# KiCad board r1_panel.kicad_pcb (continued)
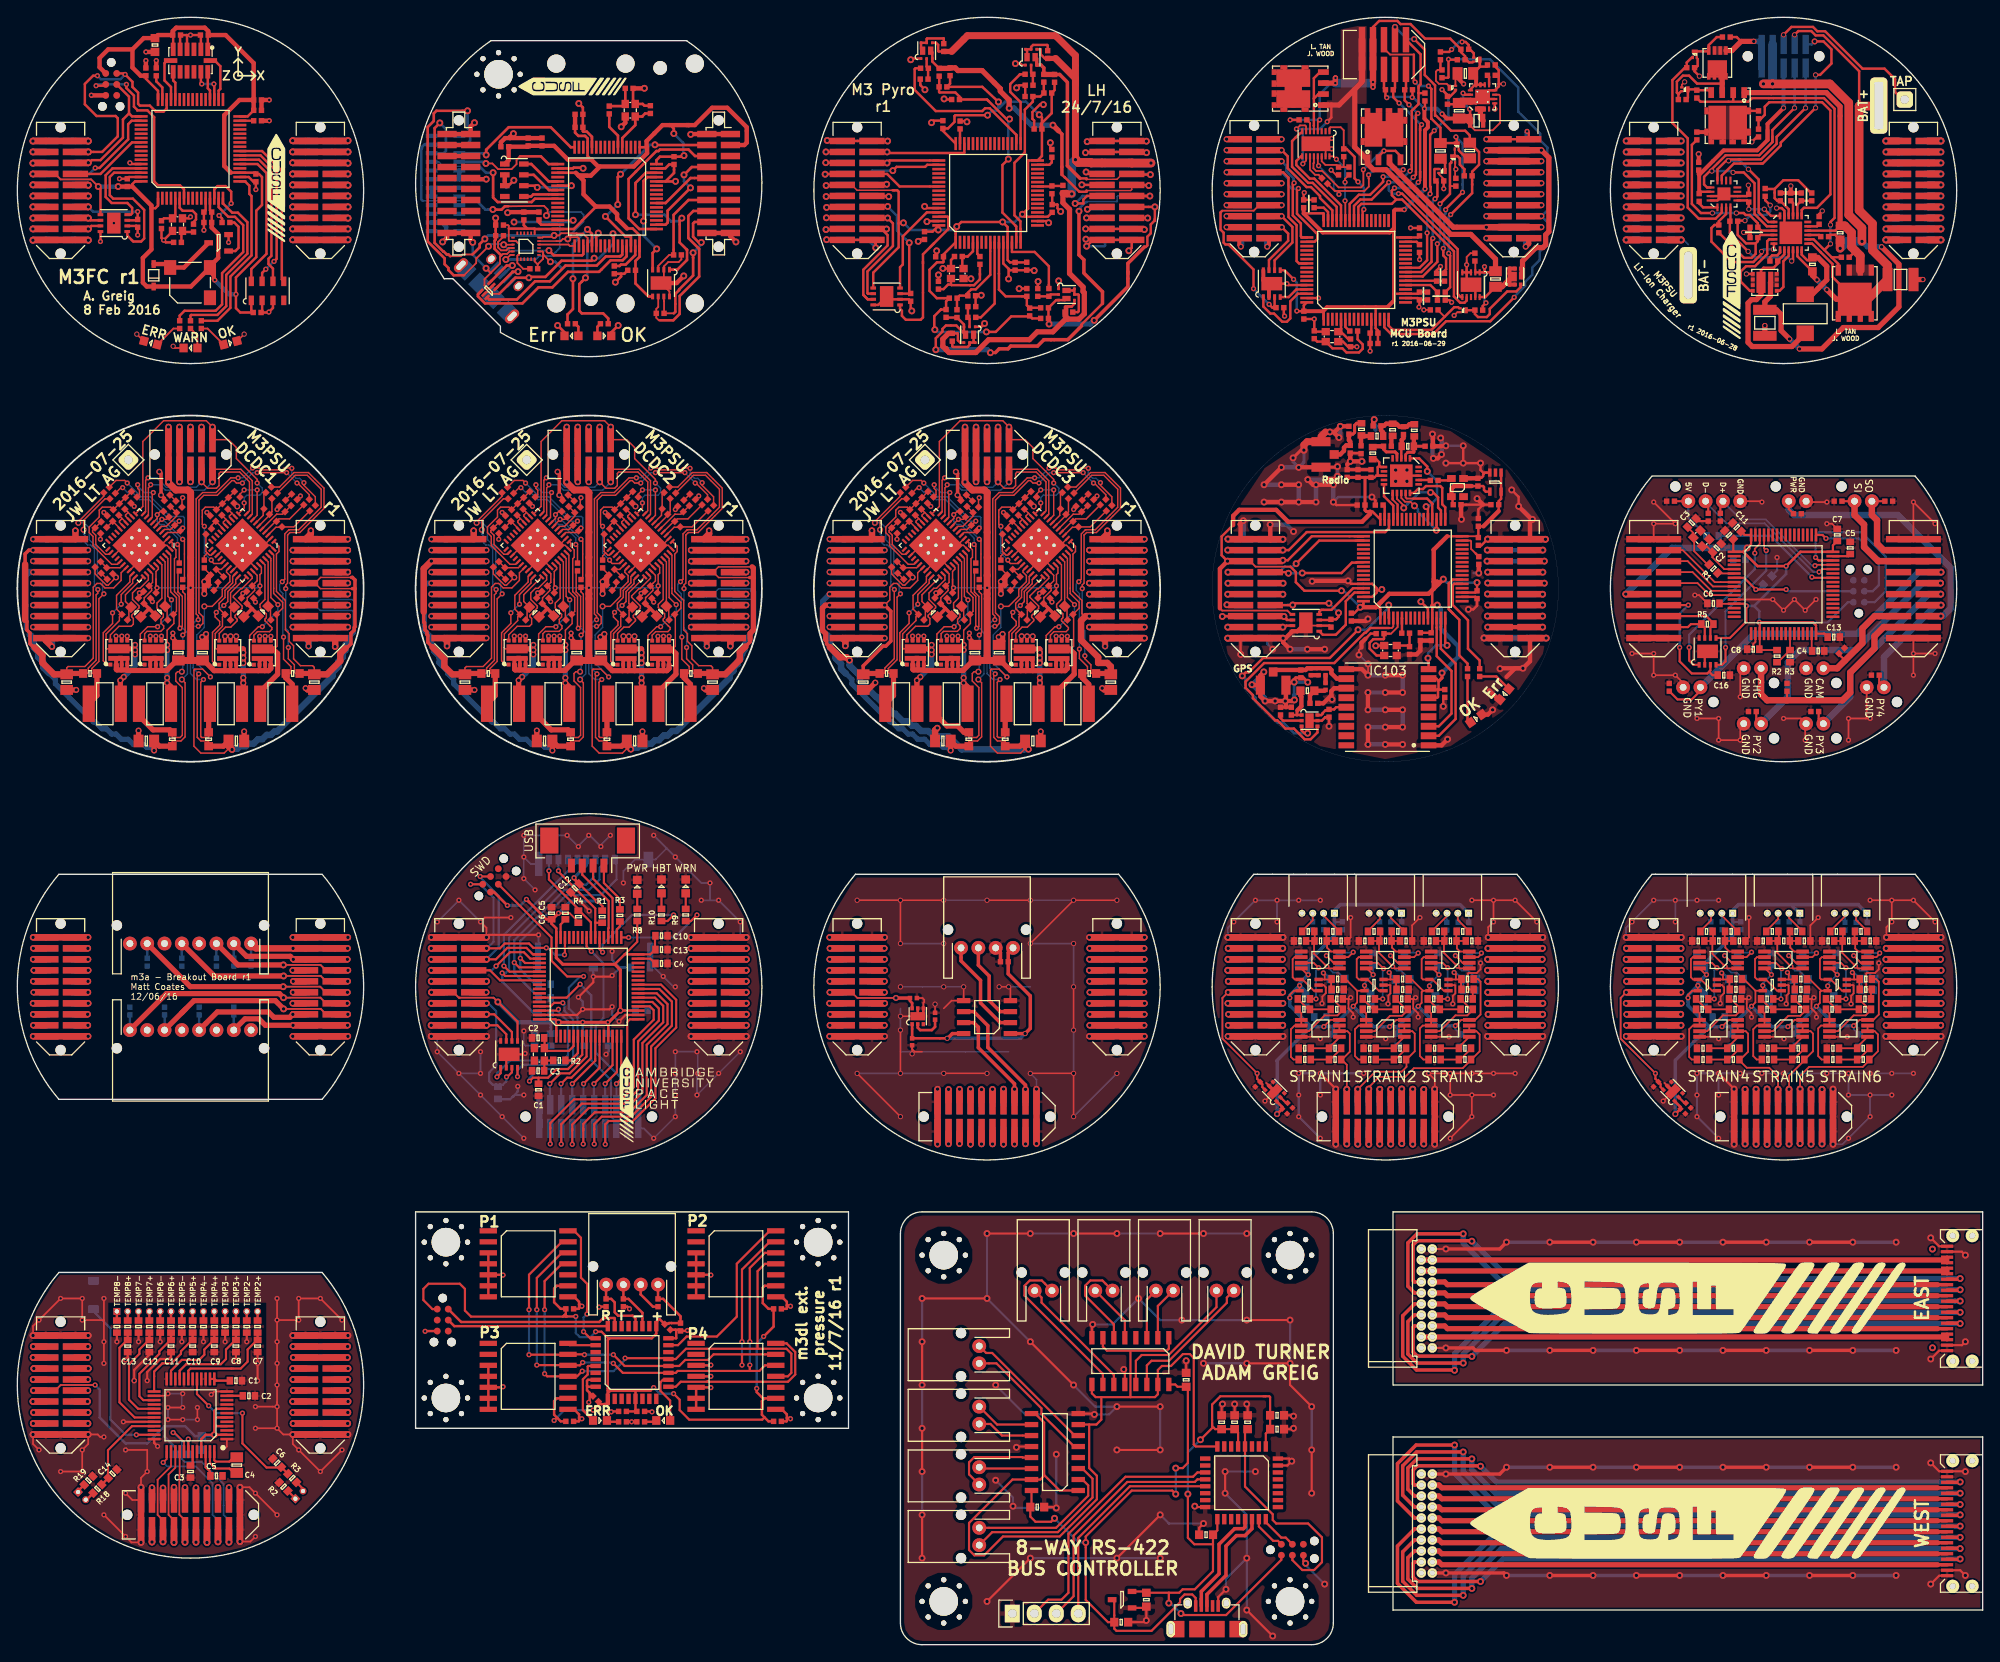
[diagram p0: board, top side]
## Routing (per net, layer and track width the routed paths; a pad name or vN(x,y) marks a point on that pad's centre or on a via; arc(x,y) is an arc through that point) (continued)
/Radio/Radio_GPIO1: length 4.5
  Top w0.28: IC101.45 158.93,131.59 157.85,132.67 IC201.10
/Radio/Radio_nIRQ: length 3.3
  Top w0.2: 159.43,131.72 158.85,132.29
  Top w0.28: IC101.44 159.43,131.72 ; 158.85,132.29 IC201.11
/Radio/Radio_nSEL: length 7.9
  Top w0.28: IC101.33 164.93,131.39 164.58,131.74 164.58,133.62 164.35,133.85 162.7,133.85 162.35,133.5 161.77,133.5 161.32,133.05 IC201.15
/Radio/Radio_SCLK: length 9.7
  Top w0.2: v1(160.14,131.32) 160.14,131.59 159.35,132.37 159.35,132.47 IC201.12
  Top w0.28: v1(163.23,133.11) 163.24,133.12 163.52,133.12 164.1,132.54 164.1,131.36 164.43,131.03 IC101.34
  Bottom w0.28: v1(160.14,131.32) 160.54,131.72 160.54,131.73 161.93,133.12 161.94,133.11 v1(163.23,133.11) 163.22,133.12
/Radio/Radio_SDI: length 5.7
  Top w0.2: 161.26,132.4 160.48,132.4 160.35,132.54 IC201.14
  Top w0.28: IC101.36 163.43,131.76 163.43,131.81 162.83,132.4 161.26,132.4
/Radio/Radio_SDN: length 9.8
  Top w0.28: v1(162.72,131.47) 162.93,131.26 IC101.37 ; 161.9,137.05 161.95,137 ; 161.9,137.05 IC201.1 ; 161.9,137.05 162.85,136.1 v1(162.85,135.55)
  Bottom w0.28: v1(162.72,131.47) 162.89,131.65 163.19,131.65 163.97,132.43 163.97,134.43 v1(162.85,135.55)
/Radio/Radio_SDO: length 7.6
  Top w0.2: IC201.13 159.85,132.47 160.29,132.03 160.9,132.03 v1(161.37,131.56)
  Top w0.28: v1(163.9,128.75) 163.93,128.78 IC101.35
  Bottom w0.28: v1(161.37,131.56) 161.77,131.16 161.77,130.88 v1(163.9,128.75)
/Radio/RXn: length 2.9
  Top w0.28: L202.1 159.85,138.4 IC201.3
  Top w0.5: C205.1 160.1,139.38 159.9,139.18 L202.1
/Radio/RXp: length 4.8
  Top w0.2: 161.21,138.36 L202.2 ; 160.35,137.5 160.35,137.56
  Top w0.28: 161.3,139.54 L203.1 ; 160.6,137.76 160.61,137.76 160.35,137.5 IC201.2
  Top w0.35: 160.6,137.76 161.27,137.76 161.3,137.79 L202.2 C203.1
  Top w0.5: L202.2 161.3,139.54
/Radio/TX_pin: length 3.9
  Top w0.28: IC201.4 159.35,137.58 ; 156.65,138.45 L201.2
  Top w0.35: 159.35,137.58 159.34,137.58 159.13,137.79 158.11,137.79 157.8,138.11 C204.1
  Top w0.5: C204.1 156.65,138.45
/RSVD1: length 106.4
  Top w0.28: 146.03,167.56 v2(146.03,167.56) ; 192.18,167.37 v2(192.18,167.36) ; J9.12 100.57,167.37 v1(100.65,167.29) ; v1(146.18,121.35) 146.16,121.36 J101.12
  Top w0.4: v2(54.18,121.37) 54.18,121.36 J1#9.12 ; 221.79,13.05 J2#8.12 ; v2(100.18,121.37) 100.18,121.36 J1#10.12 ; v2(8.18,121.37) 8.18,121.36 J1#8.12
  Top w0.6: 144.57,167.56 146.03,167.56 ; 221.79,13.05 164.53,13.05 164.21,13.37 J1#13.12
  Top w0.74: J1#2.12 v2(54.17,75.37) ; J1.12 8.19,167.37 v1(8.2,167.35) ; J1#3.12 v2(146.17,75.37) ; J1#6.12 v2(8.17,29.37) ; v2(100.17,75.37) J1#16.12 ; J1#4.12 v2(192.17,75.37) ; J1#5.12 v2(8.17,75.37)
  Top w0.8: J1#12.12 192.18,167.37
  Bottom w0.28: v2(146.03,167.56) 146.03,167.56 ; v2(192.18,167.36) 192.18,167.37 ; v1(146.18,121.35) 146.16,121.36 J102.12 ; J10.12 98.44,167.29 v1(100.65,167.29)
  Bottom w0.4: 6.37,121.37 J2#12.12 ; 52.37,121.37 J2#13.12 ; 98.37,121.37 J2#14.12
  Bottom w0.6: 146.03,167.56 144.22,167.56
  Bottom w0.7: v2(8.18,121.37) 6.37,121.37 ; v2(100.18,121.37) 98.37,121.37 ; v2(54.18,121.37) 52.37,121.37
  Bottom w0.74: J3#12.12 v2(100.17,75.37) ; v1(8.2,167.35) 8.19,167.37 J2#11.12 ; J3#8.12 v2(146.17,75.37) ; J3#10.12 v2(8.17,75.37) ; J3#9.12 v2(192.17,75.37) ; J3#11.12 v2(8.17,29.37) ; v2(54.17,75.37) J3#7.12
  Bottom w0.8: 192.18,167.37 J2#16.12
/RSVD2: length 115.3
  Top w0.28: 139.68,163.75 v2(139.67,163.76) ; v2(185.82,163.55) 185.83,163.56 ; v1(139.8,117.55) 139.81,117.56 J101.17 ; J9.17 95.22,163.48 v1(93.4,163.48)
  Top w0.4: J1#10.17 95.28,117.56 v2(93.82,117.56) ; J1#8.17 3.28,117.56 v2(1.82,117.56) ; v2(47.82,117.56) 49.28,117.56 J1#9.17 ; J2#8.17 224.37,9.87 v1(224.4,9.9) ; v1(169,7.3) 161.74,7.3 161.21,7.83 161.21,9.38 161.38,9.56 J1#13.17
  Top w0.6: J1#11.17 139.68,163.75
  Top w0.74: v1(1.8,163.55) 1.81,163.56 J1.17 ; J1#3.17 v2(139.85,71.56) ; J1#4.17 v2(185.85,71.56) ; J1#6.17 v1(1.85,25.56) ; J1#2.17 v1(47.8,71.56) ; v2(93.85,71.56) J1#16.17 ; J1#5.17 v2(1.85,71.56)
  Top w0.8: 185.83,163.56 J1#12.17
  Bottom w0.28: v2(139.67,163.76) 139.68,163.75 ; 185.83,163.56 v2(185.82,163.55) ; v1(93.4,163.48) 93.47,163.56 J10.17 ; J102.17 141.63,117.55 v1(139.8,117.55)
  Bottom w0.4: 93.83,117.56 v2(93.82,117.56) ; 1.83,117.56 v2(1.82,117.56) ; 47.83,117.56 v2(47.82,117.56)
  Bottom w0.6: 139.68,163.75 J2#15.17 ; v1(224.4,9.9) 171.6,9.9 v1(169,7.3)
  Bottom w0.7: J2#14.17 93.83,117.56 ; J2#13.17 47.83,117.56 ; J2#12.17 1.83,117.56
  Bottom w0.74: J3#9.17 v2(185.85,71.56) ; J3#12.17 v2(93.85,71.56) ; J3#8.17 v2(139.85,71.56) ; J3#7.17 v1(47.8,71.56) ; v2(1.85,71.56) J3#10.17 ; J3#11.17 v1(1.85,25.56) ; J2#11.17 1.81,163.56 v1(1.8,163.55)
  Bottom w0.8: J2#16.17 185.83,163.56
/RSVD3: length 72.7
  Top w0.4: v1(224.4,11.1) 224.36,11.14 J2#8.15 ; v1(168,6.5) 161.69,6.5 160.61,7.58 160.61,10.05 161.38,10.82 J1#13.15
  Bottom w0.6: v1(224.4,11.1) 171.39,11.1 168,7.71 v1(168,6.5)
/RX: length 17.1
  Top w0.28: IC5#4.20 71.4,37.68 71.08,38 69.4,38 69,38.4 69,39.54 68.59,39.95 D4#7.1 J1#15.4
  Top w0.4: IC2#14.3 113.53,73.13 112.25,74.41 112.25,77.25 111,78.5 J4#7.3
/SCL: length 144.3
  Top w0.16: IC1#10.9 119.13,130.61 119.13,134.47 117.82,135.78 J3#5.9 ; J3#4.9 71.82,135.78 73.13,134.47 73.13,130.61 IC1#9.9 ; IC2#8.9 61.14,130.51 61.14,133.64 61.4,133.9 v3(61.4,134) ; J3#3.9 25.82,135.78 27.13,134.47 27.13,130.61 IC1#8.9 ; IC2#7.9 15.14,130.51 15.14,133.64 15.4,133.9 v3(15.4,134) ; v3(107.4,134) 107.4,133.9 107.14,133.64 107.14,130.51 IC2#9.9
  Top w0.28: v3(160.74,177.9) 160.24,178.4 R8#9.2 160.39,179.78 J3#2.9 ; v3(161.76,176.91) 161.54,176.69 161.54,169.83 v3(161.23,169.52) ; v3(159.53,167.63) 159.94,167.63 166.36,161.21 166.36,156.05 166.73,155.69 IC5#3.6 ; 198.87,171.58 201.39,171.58 203.2,173.39 203.2,174.19 v4(206.54,177.53) ; 198.87,171.58 198.8,171.58 ; 198.87,171.58 197.64,171.58 ; 197.64,171.58 197.51,171.58 196.37,170.44 IC2#12.12 ; 197.64,171.58 197.64,171.43 v4(197.65,171.42) ; v4(199.94,170.45) 201.13,169.26 201.13,165.47 202.24,164.35 IC1#13.1 202.89,164.38 ; v3(158.4,168.93) 156.42,166.95 155.12,166.95 154.39,166.22 IC1#12.41
  Top w0.74: v2(22.54,134.31) J3#3.9 ; v2(114.54,134.31) J3#5.9 ; v2(68.54,134.31) J3#4.9
  Bottom w0.16: v3(61.4,134) 62.47,134 63.08,133.39 67.62,133.39 v2(68.54,134.31) ; v3(107.4,134) 108.47,134 109.08,133.39 113.62,133.39 v2(114.54,134.31) ; v3(15.4,134) 16.47,134 17.08,133.39 21.62,133.39 v2(22.54,134.31)
  Bottom w0.28: v3(160.74,177.9) 161.73,176.91 v3(161.76,176.91) ; v3(161.23,169.52) 160.64,168.93 v3(158.4,168.93) 158.4,168.03 158.8,167.63 v3(159.53,167.63) ; v4(199.94,170.45) 198.97,171.42 v4(197.65,171.42) ; 206.53,182.12 J6#11.9 v4(206.54,177.53)
  Bottom w0.74: J6#10.9 v2(114.54,134.31) ; J6#9.9 v2(68.54,134.31) ; J6#8.9 v2(22.54,134.31)
/SCLK: length 96.5
  Top w0.15: 61.25,165.3 61.25,165.23 v1(61.12,165.1) ; IC4#4.23 62.25,162.15
  Top w0.2: IC1#11.34 64.87,162.45 64.72,162.6 63.78,162.6 v1(63.58,162.4) 63.01,162.4 62.76,162.15 62.25,162.15 ; 56.7,166.17 60.83,166.22 61.25,165.8 61.25,165.3
  Top w0.25: v3(84.6,35) 84.6,43.52 86.35,45.27 IC2#13.12 ; v3(60,32.3) 63.57,32.3 IC3#6.12 64.97,32.27 v3(65.3,32.6) ; v3(84.6,32.3) 84.6,31.63 ; 84.6,31.63 76.28,31.63 76.05,31.4 IC5#4.11 69.94,31.4 v3(68.84,32.5) ; 84.6,31.63 85.71,31.63 86.35,32.27 IC4#6.12 ; IC1#15.12 62.9,45.27 60,42.37 v3(60,38.7)
  Top w0.3: v1(54.93,165.8) 54.95,165.78 55.92,165.78 56.31,166.17 56.7,166.17
  Bottom w0.15: 53.05,166.78 53.07,166.79 53.05,166.8 46.82,166.8
  Bottom w0.2: v1(61.12,165.1) 61.52,165.5 65.1,165.5 65.4,165.2 65.4,164.4 63.98,162.98 63.98,162.8 v1(63.58,162.4)
  Bottom w0.25: v3(84.6,35) v3(84.6,32.3) ; v3(68.84,32.5) 68.74,32.6 v3(65.3,32.6) ; v3(60,38.7) v3(60,32.3)
  Bottom w0.3: 46.82,166.8 46.65,166.97 46.65,172.78 46.73,172.86 46.73,173.03 47,173.3 U1#3.3 ; 53.07,166.79 53.78,166.07 53.78,166.07 54.08,165.78 54.34,165.78 54.36,165.8 v1(54.93,165.8)
/SDA: length 155.9
  Top w0.16: IC2#9.10 106.56,130.66 106.82,130.92 106.82,134.52 v3(107.1,134.8) ; IC2#8.10 60.56,130.66 60.82,130.92 60.82,134.52 v3(61.1,134.8) ; v3(15.1,134.8) 14.82,134.52 14.82,130.92 14.56,130.66 IC2#7.10 ; v2(21.27,134.31) 21.98,133.6 23,133.6 23.3,133.9 23.3,135.3 23.47,135.46 25.68,135.46 26.81,134.34 26.81,130.99 IC1#8.10 ; IC1#10.10 118.81,130.99 118.81,134.34 117.68,135.46 115.47,135.46 115.3,135.3 115.3,133.9 115,133.6 113.98,133.6 v2(113.27,134.31) ; v2(67.27,134.31) 67.98,133.6 69,133.6 69.3,133.9 69.3,135.3 69.47,135.46 71.68,135.46 72.81,134.34 72.81,130.99 IC1#9.10
  Top w0.28: v3(159.6,178.09) 158.92,178.77 R7#5.2 159.12,179.83 J3#2.7 ; 162.02,175.19 162.02,170.16 ; v3(162.19,175.6) 162.02,175.43 162.02,174.95 ; 162.02,170.16 162.02,169.15 v3(161.81,168.94) ; 162.02,170.16 162.02,169.48 ; 202.72,173.59 201.2,172.06 197.32,172.06 195.6,170.35 ; 202.72,173.59 202.72,174.26 ; 202.72,173.59 202.72,174.98 v4(205.27,177.53) ; 195.6,170.35 194.82,169.57 194.82,168.69 195.17,168.34 IC2#12.13 ; 195.6,170.35 195.62,170.35 v4(195.72,170.24) ; v4(198.17,170.08) 199.4,170.08 200.65,168.83 200.65,165.27 202.06,163.85 IC1#13.2 ; IC5#3.7 167.4,155.28 167.15,155.03 166.65,155.03 165.93,155.75 165.93,160.96 159.95,166.95 159.26,166.95 ; 159.26,166.95 158.76,167.45 158.76,167.98 v3(159.06,168.28) ; 159.26,166.95 158.77,166.45 155.23,166.45 154.89,166.11 IC1#12.40
  Top w0.74: J3#4.7 v2(67.27,134.31) ; J3#5.7 v2(113.27,134.31) ; J3#3.7 v2(21.27,134.31)
  Bottom w0.16: v2(21.27,134.31) 20.67,133.71 17.21,133.71 16.12,134.8 v3(15.1,134.8) ; v2(67.27,134.31) 66.67,133.71 63.21,133.71 62.12,134.8 v3(61.1,134.8) ; v3(107.1,134.8) 108.12,134.8 109.21,133.71 112.67,133.71 v2(113.27,134.31)
  Bottom w0.28: 159.61,178.04 159.61,178.08 v3(159.6,178.09) 159.62,178.09 162.11,175.6 v3(162.19,175.6) ; v3(161.81,168.94) 161.15,168.28 v3(159.06,168.28) ; v4(198.17,170.08) 198.01,170.24 v4(195.72,170.24) ; 205.28,182.12 J6#11.7 v4(205.27,177.53)
  Bottom w0.74: J6#8.7 v2(21.27,134.31) ; v2(67.27,134.31) J6#9.7 ; J6#10.7 v2(113.27,134.31)
/SDIO_CK: length 20.2
  Top w0.25: v3(56.2,78.4) 56.85,77.75 IC1#3.53
  Bottom w0.25: U1#2.5 64.7,90.5 56.2,82 v3(56.2,78.4)
/SDIO_CMD: length 30.5
  Top w0.25: v3(56,77.6) 56.35,77.25 IC1#3.54
  Bottom w0.25: v3(56,77.6) 56.4,77.6 56.8,78 56.8,81.7 62.9,87.8 65.7,87.8 66.55,88.65 66.55,90.45 U1#2.3
  Bottom w0.28: v3(56,77.6) 56,76.6 59.6,73 60.15,73
/SDIO_D0: length 11.6
  Top w0.25: 66.75,83.45 66.75,85.05 62.5,89.3 v3(62.5,89.4) ; 66.75,83.45 66.8,83.4 R1#2.1 ; 66.75,83.45 IC1#3.39
  Bottom w0.25: v3(62.5,89.4) U1#2.7
/SDIO_D1: length 11.1
  Top w0.25: v3(61.4,89.4) 61.4,88.4 64.8,85 R4#2.1 64.9,84.8 66.25,83.45 IC1#3.40
  Bottom w0.25: v3(61.4,89.4) U1#2.8
/SDIO_D2: length 24.9
  Top w0.25: IC1#3.51 58.65,78.75 v3(58.1,79.3)
  Bottom w0.25: v3(58.1,79.3) 58.1,81.3 63.4,86.6 67.4,86.6 69.2,88.4 69.2,90.5 U1#2.1
  Bottom w0.28: v3(58.1,79.3) 58.1,78 59.8,76.3 60.15,76.3
/SDIO_D3: length 26.3
  Top w0.25: IC1#3.52 57.95,78.25 v3(57.4,78.8)
  Bottom w0.25: v3(57.4,78.8) 57.4,81.4 63.2,87.2 66.05,87.2 67.25,88.4 67.25,89.75 67.9,90.4 U1#2.2
  Bottom w0.28: v3(57.4,78.8) 57.4,77.6 60.15,74.85 60.15,74.7
/SHIFT_DATA: length 25.9
  Top w0.25: P5.4 122.54,12.34 128.5,18.3 IC1#17.13
/SHIFT_RCK: length 30.6
  Top w0.25: 117.46,3.75 P5.2 119.06,5.2 120.6,5.2 121.4,6 121.4,12.8 128,19.4 135.8,19.4 136.3,19.9 IC1#17.11
/SHIFT_SRCK: length 27.9
  Top w0.25: IC1#17.12 136.3,19.1 136,18.8 128.2,18.8 122,12.6 122,5.6 P5.3 120,3.75
/SPI1_CS: length 55.9
  Top w0.2: IC1#6.41 19.25,23.4 18.15,24.5 v3(18,24.5)
  Top w0.25: v3(66.3,80.1) 65.75,80.65 IC1#3.41
  Top w0.74: J5#2.17 v1(208.45,57.84) ; v2(116.45,57.84) J6#3.17 ; J5.17 v1(162.45,57.84) ; J5#3.17 v1(24.45,11.84)
  Bottom w0.2: v3(18,24.5) 19,23.5 19,21.47 19.37,21.1 21.3,21.1 23.83,18.58 23.83,15 24.45,14.38 J6#6.17 24.45,14.41 ; 69.8,65.4 69.8,61.1 70.45,60.46 J7#4.17
  Bottom w0.25: 69.8,65.4 66.8,68.4 66.8,71.5 67.7,72.4 67.7,78.7 v3(66.3,80.1)
  Bottom w0.74: J6#4.17 v1(162.45,57.84) ; v1(24.45,11.84) J6#6.17 ; J6#5.17 v1(208.45,57.84) ; J7#7.17 v2(116.45,57.84)
/SPI1_MISO: length 52.2
  Top w0.2: IC1#6.39 18.25,20.45 17.47,19.67 17.47,15 18.1,14.38 J5#3.7 18.1,14.35
  Top w0.25: IC1#3.22 73.65,74.75 74.6,73.8 74.6,71.9 72.2,69.5 72.2,63.8 70.4,62 66,62 64.1,60.09 64.1,59.4 ; v3(64.1,57.81) 64.1,59.4 ; 64.1,59.4 64.1,59.59
  Top w0.74: v2(110.1,57.81) J6#3.7 ; J5#2.7 v1(202.1,57.81) ; J5.7 v1(156.1,57.81) ; J5#3.7 v1(18.1,11.81)
  Bottom w0.25: J7#4.7 v3(64.1,57.81)
  Bottom w0.74: J6#4.7 v1(156.1,57.81) ; J6#6.7 v1(18.1,11.81) ; J6#5.7 v1(202.1,57.81) ; J7#7.7 v2(110.1,57.81)
/SPI1_MOSI: length 50.9
  Top w0.2: 18.7,22.25 IC1#6.40 ; IC1#6.40 18.74,22.29 ; IC1#6.40 18.75,19.55 18.72,19.52 18.72,15.02 19.37,14.38 J5#3.9
  Top w0.25: 65.37,59.4 65.37,60.16 66.7,61.5 70.7,61.5 72.7,63.5 72.7,69.3 75.1,71.7 75.1,74 73.85,75.25 IC1#3.23 ; 65.37,59.4 65.37,59.66 ; 65.37,59.4 v3(65.37,57.84)
  Top w0.74: J5.9 v1(157.37,57.84) ; J5#3.9 v1(19.37,11.84) ; J5#2.9 v1(203.37,57.84) ; v2(111.37,57.84) J6#3.9
  Bottom w0.25: J7#4.9 v3(65.37,57.84)
  Bottom w0.74: J7#7.9 v2(111.37,57.84) ; J6#6.9 v1(19.37,11.84) ; J6#5.9 v1(203.37,57.84) ; J6#4.9 v1(157.37,57.84)
/SPI1_SCK: length 50.5
  Top w0.2: IC1#6.38 17.75,20.6 16.2,19.05 16.21,19.04 16.21,15 16.83,14.38 J5#3.5
  Top w0.25: IC1#3.21 73.35,74.25 74.1,73.5 74.1,72.1 71.7,69.7 71.7,64.1 70.1,62.5 65.2,62.5 62.83,60.12 v3(62.83,57.82)
  Top w0.74: v2(108.83,57.88) J6#3.5 ; J5#2.5 v1(200.83,57.82) ; J5.5 v1(154.83,57.82) ; J5#3.5 v1(16.83,11.88)
  Bottom w0.25: J7#4.5 v3(62.83,57.82)
  Bottom w0.74: J6#5.5 v1(200.83,57.82) ; J6#4.5 v1(154.83,57.82) ; J7#7.5 v2(108.83,57.88) ; J6#6.5 v1(16.83,11.88)
/STRAIN1: length 32.3
  Top w0.2: v1(153.56,64.16) 153.56,67 152.95,67.6 153,67.6 153.9,68.5 153.9,70.6 153.63,70.88 IC5.6 IC5.7
  Top w0.25: IC1#3.8 65.75,67.95 63.8,66 62.7,66 v3(61.5,64.8)
  Top w0.74: v2(107.56,64.16) J6#3.4 ; J5#3.4 v2(15.56,18.15) ; J5.4 v1(153.56,64.16) ; J5#2.4 v1(199.56,64.16)
  Bottom w0.25: J7#4.4 61.5,62.42 v3(61.5,64.8)
  Bottom w0.74: v1(199.56,64.16) J6#5.4 ; v2(15.56,18.15) J6#6.4 ; v1(153.56,64.16) J6#4.4 ; J7#7.4 v2(107.56,64.16)
/STRAIN1+: length 3.9
  Top w0.2: J7.2 150.88,84.22 152.7,82.4
  Bottom w0.2: J7.2 150.9,84.47 D2#11.2
/STRAIN1-: length 3.6
  Top w0.2: J7.3 149.63,83.68 148.35,82.4
  Bottom w0.2: J7.3 149.6,84.47 D1#13.2
/STRAIN2: length 35.5
  Top w0.2: IC8.7 IC8.6 161.13,70.88 161.4,70.6 161.4,68.55 160.45,67.6 160.45,66.75 159.9,66.2 156.85,66.2 v1(154.83,64.18)
  Top w0.25: IC1#3.9 66.25,67.75 64,65.5 63.5,65.5 v3(62.8,64.8)
  Top w0.74: v2(108.83,64.18) J6#3.6 ; J5#3.6 v2(16.83,18.12) ; J5#2.6 v1(200.83,64.18) ; J5.6 v1(154.83,64.18)
  Bottom w0.25: v3(62.8,64.8) 62.8,62.39 J7#4.6
  Bottom w0.74: J6#6.6 v2(16.83,18.12) ; v1(154.83,64.18) J6#4.6 ; v1(200.83,64.18) J6#5.6 ; J7#7.6 v2(108.83,64.18)
/STRAIN2+: length 3.8
  Top w0.2: J9#2.2 158.63,83.97 160.2,82.4
  Bottom w0.2: J9#2.2 158.65,84.47 D5#3.2
/STRAIN2-: length 3.7
  Top w0.2: 155.95,82.4 157.38,83.82 J9#2.3
  Bottom w0.2: J9#2.3 157.35,84.47 D4#8.2
/STRAIN3: length 41.2
  Top w0.2: IC9.7 IC9.6 168.53,70.88 168.9,70.5 168.9,68.55 166.95,66.6 161.3,66.6 160.3,65.6 157.3,65.6 156.1,64.4 v1(156.1,64.19) ; v1(202.1,64.19) 202.1,64.4
  Top w0.25: IC1#3.10 66.75,67.45 v3(64.1,64.8)
  Top w0.74: J5#3.8 v2(18.1,18.19) ; J5.8 v1(156.1,64.19) ; J5#2.8 v1(202.1,64.19) ; v2(110.1,64.19) J6#3.8
  Bottom w0.25: J7#4.8 64.1,62.37 v3(64.1,64.8)
  Bottom w0.74: v1(202.1,64.19) J6#5.8 ; v1(156.1,64.19) J6#4.8 ; v2(18.1,18.19) J6#6.8 ; J7#7.8 v2(110.1,64.19)
/STRAIN3+: length 3.7
  Top w0.2: J8.2 166.38,83.72 167.7,82.4
  Bottom w0.2: J8.2 166.4,84.47 D8#2.2
/STRAIN3-: length 3.9
  Top w0.2: J8.3 165.13,84.18 163.35,82.4
  Bottom w0.2: D7#2.2 165.1,84.47 J8.3
/STRAIN4: length 33.9
  Top w0.2: v1(203.37,64.16) 203.37,65.63 202.35,66.65 199.75,66.65 198.9,67.5 C14#4.2 ; 198.95,67.6 199,67.6 199.9,68.5 199.9,70.6 199.63,70.88 IC5#2.6 IC5#2.7
  Top w0.25: IC1#3.11 67.25,66.65 v3(65.4,64.8)
  Top w0.74: J5#3.10 v2(19.37,18.16) ; v2(111.37,64.13) J6#3.10 ; J5.10 v1(157.37,64.16) ; J5#2.10 v1(203.37,64.16)
  Bottom w0.25: v3(65.4,64.8) 65.4,62.4 J7#4.10
  Bottom w0.74: v1(203.37,64.16) J6#5.10 ; v1(157.37,64.16) J6#4.10 ; v2(19.37,18.16) J6#6.10 ; J7#7.10 v2(111.37,64.13)
/STRAIN4+: length 3.9
  Top w0.2: 198.7,82.4 196.88,84.22 J7#2.2
  Bottom w0.2: D2#12.2 196.9,84.47 J7#2.2
/STRAIN4-: length 3.6
  Top w0.2: 194.35,82.4 195.63,83.68 J7#2.3
  Bottom w0.2: J7#2.3 195.6,84.47 D1#14.2
/STRAIN5: length 31.3
  Top w0.2: IC8#2.7 IC8#2.6 207.13,70.88 207.4,70.6 207.4,68.55 206.45,67.6 ; C21#2.2 206.4,67.5 204.64,65.74 v1(204.64,64.16)
  Top w0.25: IC1#3.14 68.75,66.95 v3(66.6,64.8)
  Top w0.74: J5#2.12 v1(204.64,64.16) ; v2(112.64,64.16) J6#3.12 ; J5#3.12 v2(20.64,18.13) ; J5.12 v1(158.64,64.16)
  Bottom w0.25: J7#4.12 66.6,62.4 v3(66.6,64.8)
  Bottom w0.74: J7#7.12 v2(112.64,64.16) ; v1(158.64,64.16) J6#4.12 ; v1(204.64,64.16) J6#5.12 ; J6#6.12 v2(20.64,18.13)
/STRAIN5+: length 3.8
  Top w0.2: J9#3.2 204.63,83.97 206.2,82.4
  Bottom w0.2: J9#3.2 204.65,84.47 D5#4.2
/STRAIN5-: length 3.7
  Top w0.2: J9#3.3 203.38,83.82 201.95,82.4
  Bottom w0.2: J9#3.3 203.35,84.47 D4#9.2
/STRAIN6: length 37.2
  Top w0.2: IC9#2.7 IC9#2.6 214.53,70.88 214.9,70.5 214.9,68.55 213.95,67.6 ; C13#5.2 213.9,67.5 213.15,66.75 206.95,66.75 205.91,65.71 v1(205.91,64.19)
  Top w0.25: IC1#3.15 69.25,66.15 v3(67.9,64.8)
  Top w0.74: J5.14 v1(159.91,64.19) ; J5#2.14 v1(205.91,64.19) ; J5#3.14 v2(21.91,18.1) ; v2(113.91,64.19) J6#3.14
  Bottom w0.25: J7#4.14 67.9,62.37 v3(67.9,64.8)
  Bottom w0.74: J7#7.14 v2(113.91,64.19) ; v2(21.91,18.1) J6#6.14 ; J6#4.14 v1(159.91,64.19) ; J6#5.14 v1(205.91,64.19)
/STRAIN6+: length 3.7
  Top w0.2: J8#2.2 212.38,83.72 213.7,82.4
  Bottom w0.2: D8#3.2 212.4,84.47 J8#2.2
/STRAIN6-: length 3.9
  Top w0.2: 209.35,82.4 211.13,84.18 J8#2.3
  Bottom w0.2: J8#2.3 211.1,84.47 D7#3.2
/SWCLK: length 32.1
  Top w0.25: v3(208.9,127.8) 208.5,128.2 IC1#7.49
  Top w0.28: P1#3.4 50.47,36.8 IC5#4.24
  Bottom w0.25: v3(208.9,127.8) 212.7,127.8 215,125.5 215,122.4 214.3,121.7 P1#5.4
/SWDCLK: length 4.5
  Top w0.25: P1#4.4 146.5,12.37 145.98,12.37 144.2,14.15 IC1#17.24
/SWDIO: length 46.3
  Top w0.25: IC1#17.23 143.4,13.65 145.06,11.99 145.61,11.99 P1#4.2 ; v3(207.7,125.6) 208.05,125.25 IC1#7.46
  Top w0.28: IC5#4.23 69,37.68 68.94,37.74 67.68,37.74 67.22,37.28 51.26,37.28 P1#3.2
  Bottom w0.25: v3(207.7,125.6) 207.7,128.1 208.1,128.5 213,128.5 215.8,125.7 215.8,121.7 214.53,120.43 P1#5.2
/TEMP1+: length 1.3
  Top w0.25: J7#5.2 33,18 32.28,18.72
/TEMP1-: length 1.2
  Top w0.25: J7#5.1 32.12,16.88 31.28,17.72
/TEMP2+: length 1
  Top w0.28: J9#4.14 27.75,37.5
/TEMP2-: length 1
  Top w0.28: J9#4.13 26.5,37.5
/TEMP3+: length 1
  Top w0.28: J9#4.12 25.25,37.5
/TEMP3-: length 1
  Top w0.28: J9#4.11 24,37.5
/TEMP4+: length 1
  Top w0.28: J9#4.10 22.75,37.5
/TEMP4-: length 1
  Top w0.28: J9#4.9 21.5,37.5
/TEMP5+: length 1
  Top w0.28: J9#4.8 20.25,37.5
/TEMP5-: length 1
  Top w0.28: J9#4.7 19,37.5
/TEMP6+: length 1
  Top w0.28: J9#4.6 17.75,37.5
/TEMP6-: length 1
  Top w0.28: 16.5,37.5 J9#4.5
/TEMP7+: length 1
  Top w0.28: 15.25,37.5 J9#4.4
/TEMP7-: length 1
  Top w0.28: 14,37.5 J9#4.3
/TEMP8+: length 1
  Top w0.28: 12.75,37.5 J9#4.2
/TEMP8-: length 1
  Top w0.28: 11.5,37.5 J9#4.1
/TEMP9+: length 1.1
  Top w0.28: J8#4.2 8,16.75 8.72,17.47
/TEMP9-: length 1.1
  Top w0.28: J8#4.1 7.02,17.77 7.69,18.44
/TEMP_INT: length 51
  Top w0.2: IC1#6.37 17.25,21.45 v3(16.85,21.05)
  Top w0.25: 64.95,76.25 v3(65,76.3) 63.45,74.75 IC1#3.59
  Top w0.74: v2(115.18,57.82) J6#3.15 ; J5#3.15 v1(23.18,11.88) ; J5#2.15 v1(207.18,57.82) ; J5.15 v1(161.18,57.82)
  Bottom w0.2: J6#6.15 23.18,14.38 22.55,15 22.55,18.65 20.6,20.6 17.3,20.6 v3(16.85,21.05) ; 69.18,60.43 J7#4.15 69.18,60.38 68.56,61 68.56,65.25 68.5,65.3
  Bottom w0.25: 68.5,65.3 66.3,67.5 66.3,75 v3(65,76.3)
  Bottom w0.74: J6#4.15 v1(161.18,57.82) ; J6#5.15 v1(207.18,57.82) ; J7#7.15 v2(115.18,57.82) ; J6#6.15 v1(23.18,11.88)
/TX: length 124.4
  Top w0.25: 125.2,28.6 128.6,28.6 ; 125.2,28.6 125.2,26 124.63,25.43 123.8,25.43 ; 125.2,28.6 124.55,28.6 124.11,29.04 IC4#7.9 ; 128.6,28.6 131.4,28.6 131.73,28.93 IC4#7.15 ; 128.6,28.6 128.57,28.63 128.57,33.97 ; 118.6,19.52 118.16,19.08 IC3#7.15 114.94,19.08 109.93,14.06 109.93,10.94 110.54,10.32 111.67,10.32 113.84,12.5 120.39,12.5 124.69,16.8 124.69,19.51 123.8,20.4 123.8,25.43 ; 118.6,19.52 118.6,25.65 117.55,26.7 IC3#7.9 ; 118.6,19.52 118.68,19.52 120.39,17.81 IC3#7.1 ; 123.8,25.43 IC3#7.7 ; 131.73,30.68 IC4#7.15 ; IC4#7.15 131.73,31.73 132.2,32.2 133.25,32.2 134.63,33.58 135.43,33.58 135.88,33.12 135.88,23.12 136.1,22.9 IC1#17.8 ; 128.57,33.97 125.85,33.97 125.38,34.44 IC4#7.7 ; 128.57,33.97 132.77,33.97 133,34.2 IC4#7.1
  Top w0.28: IC5#4.19 72.2,38.34 70.59,39.95 D3#9.1 J1#15.3
  Top w0.4: IC4#7.7 125.38,34.99 ; 131.73,30.54 IC4#7.15 ; IC2#14.2 113.53,71.87 111.25,74.14 111.25,76.75 109,79 J4#7.4 ; 133,34.99 IC4#7.1 ; 124.11,29.59 IC4#7.9
/USB_D+: length 12.8
  Top w0.4: IC1#17.22 142.6,13.4 141.8,12.6 140.8,12.6 139.6,11.4 139.6,8 137.4,5.8 J1#17.3
/USB_D-: length 12.7
  Top w0.4: J1#17.2 136.75,6.15 138.8,8.2 138.8,11.6 140.6,13.4 141.6,13.4 141.8,13.6 IC1#17.21
/USB_DETECT: length 22.4
  Top w0.2: D2#6.5 54.16,156.25 54.65,156.25 54.84,156.06 55.66,156.06
  Top w0.3: 55.66,156.06 57.51,157.91 v1(59.08,157.91) 59.18,158.01 60.99,158.01 62.85,159.88 66.33,159.88 v1(66.63,160.18) ; v1(68.8,163) 68.87,162.93 IC1#11.42
  Bottom w0.3: v1(66.63,160.18) 67.19,160.18 68.8,161.78 v1(68.8,163) ; J1#18.1 57.54,157.91 v1(59.08,157.91)
/VEXT_OK: length 12.9
  Top w0.28: v4(204.94,159.84) 205.1,160 IC1#13.10 ; v4(199.91,160.96) 197.8,163.07 R5#11.2 197.87,164.51 IC2#12.4
  Bottom w0.28: v4(199.91,160.96) 200.61,160.26 204.52,160.26 v4(204.94,159.84)
/~{ADIS_RESET}: length 13
  Top w0.2: v1(54.12,171.11) 54.87,171.11 55.52,170.46 57.08,170.46 57.66,171.04 57.66,171.53 58.07,171.94
  Top w0.3: IC1#11.17 61.37,171.04 60.47,171.94 58.07,171.94
  Bottom w0.3: v1(54.12,171.11) 53.94,171.3 U1#3.8
/~{ADIS_SS}: length 16
  Top w0.3: IC1#11.16 63.92,172.99 61.61,175.3 56.75,175.3 54.15,172.7 v1(54.15,172.1)
  Bottom w0.3: U1#3.6 53.95,172.3 v1(54.15,172.1)
/~{ALERT}: length 162.7
  Top w0.16: J3#4.10 70.39,139.22 71.3,138.3 71.3,137.02 73.7,134.62 v3(73.7,134.2) ; J3#3.10 24.39,139.22 25.3,138.3 25.3,137.02 27.7,134.62 v3(27.7,134.2) ; v3(118.2,131.9) 118.2,131.3 IC1#10.11 ; IC1#8.11 26.2,131.3 v3(26.2,131.9) ; v2(114.54,140.68) 113.82,141.4 108.9,141.4 106.5,139 106.5,131.5 IC2#9.11 105.64,130.66 ; v2(22.54,140.68) 21.82,141.4 16.9,141.4 14.5,139 14.5,131.5 IC2#7.11 13.64,130.66 ; v2(68.54,140.68) 67.82,141.4 62.9,141.4 60.5,139 60.5,131.5 IC2#8.11 59.64,130.66 ; v3(72.2,131.9) 72.2,131.3 IC1#9.11 ; v3(119.7,134.2) 119.7,134.62 117.3,137.02 117.3,138.3 116.39,139.22 J3#5.10
  Top w0.28: 161.84,179.26 161.84,180.02 162.08,180.26 162.08,183.72 J3#2.10 ; 161.84,179.26 161.85,179.26 161.85,179.25 161.84,179.24 R10#7.2 ; 161.84,179.26 161.84,177.98 161.06,177.2 161.06,170.96 ; 161.06,170.96 161.06,170.44 v3(160.86,170.24) ; 161.06,170.96 161.06,170.81 ; v4(207.7,177.54) 203.68,173.52 203.68,173.19 201.59,171.1 198.26,171.1 196.87,169.72 IC2#12.11 ; v4(207.7,181.35) 208.22,181.35 209.53,182.66 209.53,184.3 208.62,185.22 v2(207.59,185.22) ; IC1#12.42 153.89,166.44 154.95,167.5 156.25,167.5 157.75,169 v3(157.75,169.58)
  Top w0.74: v2(22.54,140.68) J3#3.10 ; v2(114.54,140.68) J3#5.10 ; v2(68.54,140.68) J3#4.10
  Bottom w0.16: v3(118.2,131.9) 118.2,132.5 118.5,132.8 120,132.8 120.3,133.1 120.3,133.6 v3(119.7,134.2) ; 114.54,138.12 J6#10.10 ; v3(26.2,131.9) 26.2,132.5 26.5,132.8 28,132.8 28.3,133.1 28.3,133.6 v3(27.7,134.2) ; 22.54,138.12 J6#8.10 ; v3(72.2,131.9) 72.2,132.5 72.5,132.8 74,132.8 74.3,133.1 74.3,133.6 v3(73.7,134.2) ; 68.54,138.12 J6#9.10
  Bottom w0.28: v3(160.86,170.24) 160.2,169.58 v3(157.75,169.58) ; v2(207.59,185.22) 207.24,184.87 J6#11.10 ; v4(207.7,181.35) v4(207.7,177.54)
  Bottom w0.74: J6#8.10 v2(22.54,140.68) ; J6#9.10 v2(68.54,140.68) ; J6#10.10 v2(114.54,140.68)
/~{CS1}: length 14.9
  Top w0.25: IC1#15.14 64.3,47.81 65.1,47.01 65.1,42.4 65.83,41.67 65.83,38.8 65.8,38.77 v3(65.8,38.2) ; v3(65.4,36.16) 66.16,35.4 IC5#4.25
  Bottom w0.25: v3(65.4,36.16) 65.4,37.8 v3(65.8,38.2)
/~{CS2}: length 21.5
  Top w0.25: IC2#13.14 86.9,47.81 83.1,44.01 83.1,37.9 80.8,35.6 77.31,35.6 76.31,34.6 IC5#4.15
/~{CS3}: length 3.3
  Top w0.25: IC3#6.14 63.81,34.6 IC5#4.26
/~{CS4}: length 20.6
  Top w0.25: IC4#6.14 88.85,34.81 89.85,33.81 89.85,31.21 89.01,30.37 79.8,30.37 79.73,30.44 79.66,30.37 76.63,30.37 76.05,29.8 IC5#4.9
/~{EN_EXT_PWR}: length 9.5
  Top w0.2: R9#7.2 153.35,169.35 v3(153.35,168.95) ; v3(152.35,171.6) 152.01,171.94 151.56,171.94 ; IC1#12.43 153.39,166.76 v3(153.35,166.8)
  Bottom w0.2: v3(152.35,171.6) 153.35,170.6 v3(153.35,168.95) v3(153.35,166.8)
/~{EN_INT_PWR}: length 13.8
  Top w0.2: R11#8.2 153.2,174.95 152.85,175.3 151.65,175.3 151.56,175.2 151.56,174.84
  Top w0.28: v3(155.53,165.8) 155.39,165.66 IC1#12.39 ; R11#8.2 153.53,172.8 154.45,171.88 154.45,169.4 v3(154.85,169)
  Bottom w0.28: v3(155.53,165.8) 155.53,168.32 v3(154.85,169)
/~{EXT_PWR_ON}: length 10.4
  Top w0.2: 148.26,171.94 IC4#5.9 148.41,171.81
  Top w0.28: 148.26,171.94 147.72,171.4 147.72,170.93 149.28,169.37 149.8,169.37 152.89,166.28 IC1#12.44